# Altium PCB miniBackplane.PcbDoc (part 6 of 24)
Units mil, origin at the board's own origin, x right, y up, seen from the top; angles counter-clockwise.
Board outline 17285.63 x 8582.68 mil, 6 copper layers (Top Layer, Mid-Layer 1, GND, PWR, Mid-Layer 2, Bottom Layer), stack 62.362 mil thick; 519 components, 474 nets, 2434 pads, 1493 vias.
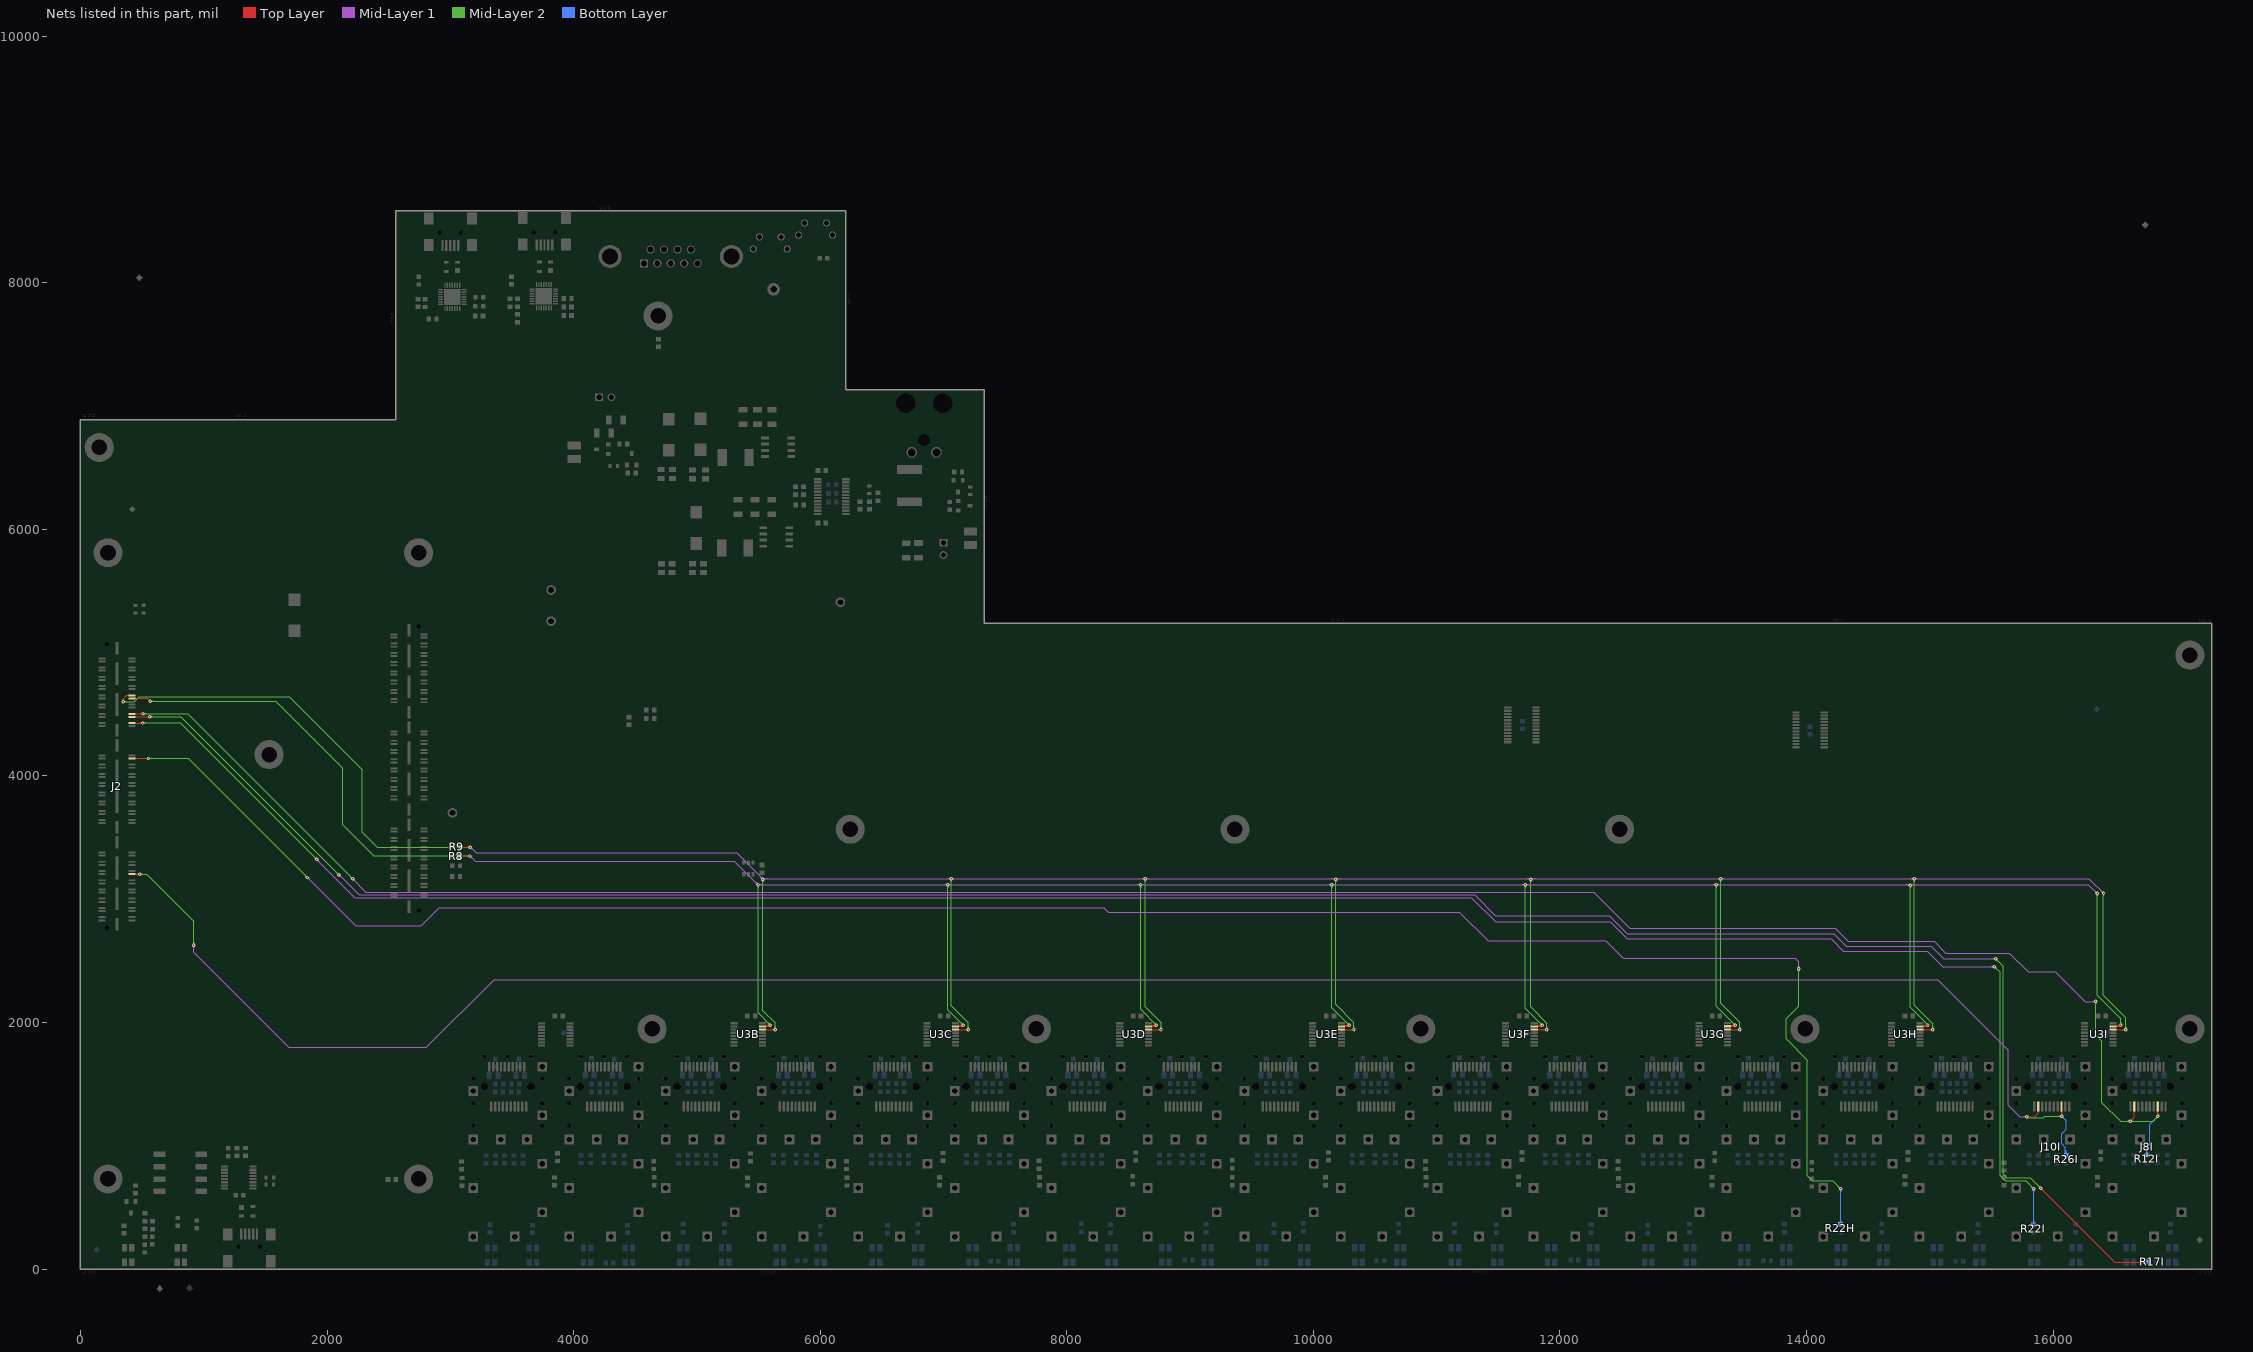
[diagram p10: the nets of this part, all layers, seen from the top]

## Via types
v1: diameter 27.56, hole 11.81, Top Layer to Bottom Layer, tented both sides, 1347 vias
v2: diameter 23.62, hole 11.81, Top Layer to Bottom Layer, tented both sides, 146 vias

## Nets (pads, with @x,y where several pads share a name; then routed paths per layer and width w, separated by ;. In a path a pad name is that pad's centre, name@x,y a point inside that pad or via, vN(x,y) a via of type N, cw(c..) or ccw(c..) an arc to the next point about the centre after c; other vN are vias at no path point) (continued)
FPGA-GPIO38: J2.78 R8.1 U3B.15 U3C.15 U3D.15 U3E.15 U3F.15 U3G.15 U3H.15 U3I.15 | length 32734.9
  Top Layer w7.87: J2.78@417.94,4628.79 541.21,4628.79 v1(565,4605) v1@565,4600 ; R8.1@3078.74,3346.46 3082.68,3350.39 v1(3157.48,3350.39) ; U3B.15@5532.27,1967.59 5585.1,1967.59 ; U3B.15@5556.21,1965.13 cw(c5571.25,1956.45) 5566.76,1973.22 ; 5566.4,1972.43 cw(c5577.06,1953.96) v1@5590.1,1970.83 ; 5576.56,1978.3 cw(c5584.82,1963.99) v1@5594.92,1977.06 ; 5576.68,1969.58 cw(c5584.4,1956.21) v1@5591.56,1969.89 ; 5578.57,1970.68 ccw(c5569.94,1985.63) v1@5586.62,1981.16 ; v1(5596.13,1978.61) 5585.1,1967.59 ; U3C.15@7097.27,1967.6 7150.1,1967.6 ; U3C.15@7121.21,1965.14 cw(c7136.25,1956.46) 7131.76,1973.23 ; 7131.4,1972.44 cw(c7142.06,1953.97) v1@7155.1,1970.84 ; 7141.56,1978.3 cw(c7149.82,1964) v1@7159.92,1977.06 ; 7141.68,1969.59 cw(c7149.4,1956.22) v1@7156.56,1969.9 ; 7143.57,1970.68 ccw(c7134.94,1985.64) v1@7151.62,1981.17 ; v1(7161.13,1978.62) 7150.1,1967.6 ; U3D.15@8662.27,1967.6 8715.1,1967.6 ; U3D.15@8686.21,1965.14 cw(c8701.25,1956.46) 8696.76,1973.23 ; 8696.4,1972.44 cw(c8707.06,1953.97) v1@8720.1,1970.84 ; 8706.56,1978.3 cw(c8714.82,1964) v1@8724.92,1977.06 ; 8706.68,1969.59 cw(c8714.4,1956.22) v1@8721.56,1969.9 ; 8708.57,1970.68 ccw(c8699.94,1985.64) v1@8716.62,1981.17 ; v1(8726.13,1978.62) 8715.1,1967.6 ; U3E.15@10227.27,1967.6 10280.1,1967.6 ; U3E.15@10251.21,1965.14 cw(c10266.25,1956.46) 10261.76,1973.23 ; 10261.4,1972.44 cw(c10272.06,1953.97) v1@10285.1,1970.84 ; 10271.56,1978.3 cw(c10279.82,1964) v1@10289.92,1977.06 ; 10271.68,1969.59 cw(c10279.4,1956.22) v1@10286.56,1969.9 ; 10273.57,1970.68 ccw(c10264.94,1985.64) v1@10281.62,1981.17 ; v1(10291.13,1978.62) 10280.1,1967.6 ; U3F.15@11791.83,1967.6 11844.67,1967.6 ; U3F.15@11815.78,1965.14 cw(c11830.82,1956.46) 11826.32,1973.23 ; 11825.96,1972.44 cw(c11836.63,1953.97) v1@11849.67,1970.84 ; 11836.13,1978.3 cw(c11844.38,1964) v1@11854.49,1977.06 ; 11836.25,1969.59 cw(c11843.97,1956.22) v1@11851.13,1969.9 ; 11838.14,1970.68 ccw(c11829.5,1985.64) v1@11846.19,1981.17 ; v1(11855.69,1978.62) 11844.67,1967.6 ; U3G.15@13356.83,1967.6 13409.67,1967.6 ; U3G.15@13382.36,1973.76 ccw(c13387.19,1982.13) 13389.7,1972.79 ; U3G.15@13384.16,1967.04 cw(c13396.36,1959.99) 13392.71,1973.6 ; 13390.96,1972.44 cw(c13401.63,1953.97) v1@13414.67,1970.84 ; 13401.13,1978.3 cw(c13409.38,1964) v1@13419.49,1977.06 ; 13401.25,1969.59 cw(c13408.97,1956.22) v1@13416.13,1969.9 ; 13403.14,1970.68 ccw(c13394.5,1985.64) v1@13411.19,1981.17 ; v1(13420.69,1978.62) 13409.67,1967.6 ; U3H.15@14921.83,1967.6 14974.67,1967.6 ; U3H.15@14945.78,1965.14 cw(c14960.82,1956.46) 14956.32,1973.23 ; 14955.96,1972.44 cw(c14966.63,1953.97) v1@14979.67,1970.84 ; 14966.13,1978.3 cw(c14974.38,1964) v1@14984.49,1977.06 ; 14966.25,1969.59 cw(c14973.97,1956.22) v1@14981.13,1969.9 ; 14968.14,1970.68 ccw(c14959.5,1985.64) v1@14976.19,1981.17 ; v1(14985.69,1978.62) 14974.67,1967.6 ; U3I.15@16486.83,1967.6 16539.67,1967.6 ; U3I.15@16510.78,1965.14 cw(c16525.82,1956.46) 16521.32,1973.23 ; 16520.96,1972.44 cw(c16531.63,1953.97) v1@16544.67,1970.84 ; 16531.13,1978.3 cw(c16539.38,1964) v1@16549.49,1977.06 ; 16531.25,1969.59 cw(c16538.97,1956.22) v1@16546.13,1969.9 ; 16533.14,1970.68 ccw(c16524.5,1985.64) v1@16541.19,1981.17 ; v1(16550.69,1978.62) 16539.67,1967.6 ; 448.12,4628.79 ccw(c448.12,4619.29) 441.39,4626.01 cw(c448.12,4619.29) 448.12,4628.79 ; 448.12,4628.79 cw(c448.12,4638.3) 441.39,4631.58 ccw(c448.12,4638.3) 448.12,4628.79 ; 3133.72,3350.39 ccw(c3133.72,3374.16) 3150.52,3357.35 cw(c3133.72,3374.16) 3133.72,3350.39 ; 3133.72,3350.39 cw(c3133.72,3326.63) 3150.52,3343.43 ccw(c3133.72,3326.63) 3133.72,3350.39 ; 5563.83,1967.59 ccw(c5563.83,1955.71) 5555.43,1964.11 cw(c5563.83,1955.71) 5563.83,1967.59 ; 5563.83,1967.59 cw(c5563.83,1979.47) 5555.43,1971.07 ccw(c5563.83,1979.47) 5563.83,1967.59 ; 5585.1,1967.59 ccw(c5579.85,1972.84) 5586.85,1975.32 cw(c5579.85,1972.84) 5585.1,1967.59 ; 5585.1,1967.59 cw(c5590.35,1962.34) 5592.83,1969.34 ccw(c5590.35,1962.34) 5585.1,1967.59 ; 7128.83,1967.6 ccw(c7128.83,1955.72) 7120.43,1964.12 cw(c7128.83,1955.72) 7128.83,1967.6 ; 7128.83,1967.6 cw(c7128.83,1979.48) 7120.43,1971.08 ccw(c7128.83,1979.48) 7128.83,1967.6 ; 7150.1,1967.6 ccw(c7144.85,1972.85) 7151.85,1975.33 cw(c7144.85,1972.85) 7150.1,1967.6 ; 7150.1,1967.6 cw(c7155.35,1962.35) 7157.83,1969.35 ccw(c7155.35,1962.35) 7150.1,1967.6 ; 8693.83,1967.6 ccw(c8693.83,1955.72) 8685.43,1964.12 cw(c8693.83,1955.72) 8693.83,1967.6 ; 8693.83,1967.6 cw(c8693.83,1979.48) 8685.43,1971.08 ccw(c8693.83,1979.48) 8693.83,1967.6 ; 8715.1,1967.6 ccw(c8709.85,1972.85) 8716.85,1975.33 cw(c8709.85,1972.85) 8715.1,1967.6 ; 8715.1,1967.6 cw(c8720.35,1962.35) 8722.83,1969.35 ccw(c8720.35,1962.35) 8715.1,1967.6 ; 10258.83,1967.6 ccw(c10258.83,1955.72) 10250.43,1964.12 cw(c10258.83,1955.72) 10258.83,1967.6 ; 10258.83,1967.6 cw(c10258.83,1979.48) 10250.43,1971.08 ccw(c10258.83,1979.48) 10258.83,1967.6 ; 10280.1,1967.6 ccw(c10274.85,1972.85) 10281.85,1975.33 cw(c10274.85,1972.85) 10280.1,1967.6 ; 10280.1,1967.6 cw(c10285.35,1962.35) 10287.83,1969.35 ccw(c10285.35,1962.35) 10280.1,1967.6 ; 11823.4,1967.6 ccw(c11823.4,1955.72) 11815,1964.12 cw(c11823.4,1955.72) 11823.4,1967.6 ; 11823.4,1967.6 cw(c11823.4,1979.48) 11815,1971.08 ccw(c11823.4,1979.48) 11823.4,1967.6 ; 11844.67,1967.6 ccw(c11839.42,1972.85) 11846.42,1975.33 cw(c11839.42,1972.85) 11844.67,1967.6 ; 11844.67,1967.6 cw(c11849.92,1962.35) 11852.4,1969.35 ccw(c11849.92,1962.35) 11844.67,1967.6 ; 13409.67,1967.6 ccw(c13404.42,1972.85) 13411.42,1975.33 cw(c13404.42,1972.85) 13409.67,1967.6 ; 13409.67,1967.6 cw(c13414.92,1962.35) 13417.4,1969.35 ccw(c13414.92,1962.35) 13409.67,1967.6 ; 14953.4,1967.6 ccw(c14953.4,1955.72) 14945,1964.12 cw(c14953.4,1955.72) 14953.4,1967.6 ; 14953.4,1967.6 cw(c14953.4,1979.48) 14945,1971.08 ccw(c14953.4,1979.48) 14953.4,1967.6 ; 14974.67,1967.6 ccw(c14969.42,1972.85) 14976.42,1975.33 cw(c14969.42,1972.85) 14974.67,1967.6 ; 14974.67,1967.6 cw(c14979.92,1962.35) 14982.4,1969.35 ccw(c14979.92,1962.35) 14974.67,1967.6 ; 16518.4,1967.6 ccw(c16518.4,1955.72) 16510,1964.12 cw(c16518.4,1955.72) 16518.4,1967.6 ; 16518.4,1967.6 cw(c16518.4,1979.48) 16510,1971.08 ccw(c16518.4,1979.48) 16518.4,1967.6 ; 16539.67,1967.6 ccw(c16534.42,1972.85) 16541.42,1975.33 cw(c16534.42,1972.85) 16539.67,1967.6 ; 16539.67,1967.6 cw(c16544.92,1962.35) 16547.4,1969.35 ccw(c16544.92,1962.35) 16539.67,1967.6 ; U3B.15@5545.75,1967.59 ccw(c5545.75,2028.99) 5589.17,1985.57 cw(c5545.75,2028.99) U3B.15@5545.75,1967.59 ; 5564.76,1967.59 ccw(c5564.76,2009.98) 5594.73,1980.01 cw(c5564.76,2009.98) 5564.76,1967.59 ; 5583.77,1967.59 ccw(c5583.77,1990.97) 5600.3,1974.44 cw(c5583.77,1990.97) 5583.77,1967.59 ; U3C.15@7110.75,1967.6 ccw(c7110.75,2029) 7154.17,1985.58 cw(c7110.75,2029) U3C.15@7110.75,1967.6 ; 7129.76,1967.6 ccw(c7129.76,2009.99) 7159.73,1980.01 cw(c7129.76,2009.99) 7129.76,1967.6 ; 7148.77,1967.6 ccw(c7148.77,1990.98) 7165.3,1974.45 cw(c7148.77,1990.98) 7148.77,1967.6 ; U3D.15@8675.75,1967.6 ccw(c8675.75,2029) 8719.17,1985.58 cw(c8675.75,2029) U3D.15@8675.75,1967.6 ; 8694.76,1967.6 ccw(c8694.76,2009.99) 8724.73,1980.01 cw(c8694.76,2009.99) 8694.76,1967.6 ; 8713.77,1967.6 ccw(c8713.77,1990.98) 8730.3,1974.45 cw(c8713.77,1990.98) 8713.77,1967.6 ; U3E.15@10240.75,1967.6 ccw(c10240.75,2029) 10284.17,1985.58 cw(c10240.75,2029) U3E.15@10240.75,1967.6 ; 10259.76,1967.6 ccw(c10259.76,2009.99) 10289.73,1980.01 cw(c10259.76,2009.99) 10259.76,1967.6 ; 10278.77,1967.6 ccw(c10278.77,1990.98) 10295.3,1974.45 cw(c10278.77,1990.98) 10278.77,1967.6 ; U3F.15@11805.32,1967.6 ccw(c11805.32,2029) 11848.73,1985.58 cw(c11805.32,2029) U3F.15@11805.32,1967.6 ; 11824.33,1967.6 ccw(c11824.33,2009.99) 11854.3,1980.01 cw(c11824.33,2009.99) 11824.33,1967.6 ; 11843.34,1967.6 ccw(c11843.34,1990.98) 11859.87,1974.45 cw(c11843.34,1990.98) 11843.34,1967.6 ; U3G.15@13370.32,1967.6 ccw(c13370.32,2029) 13413.73,1985.58 cw(c13370.32,2029) U3G.15@13370.32,1967.6 ; U3G.15@13383.38,1972.98 ccw(c13396.36,1985.96) 13396.36,1967.6 cw(c13396.36,1985.96) U3G.15@13383.38,1972.98 ; 13389.33,1967.6 ccw(c13389.33,2009.99) 13419.3,1980.01 cw(c13389.33,2009.99) 13389.33,1967.6 ; 13408.34,1967.6 ccw(c13408.34,1990.98) 13424.87,1974.45 cw(c13408.34,1990.98) 13408.34,1967.6 ; U3H.15@14935.32,1967.6 ccw(c14935.32,2029) 14978.73,1985.58 cw(c14935.32,2029) U3H.15@14935.32,1967.6 ; 14954.33,1967.6 ccw(c14954.33,2009.99) 14984.3,1980.01 cw(c14954.33,2009.99) 14954.33,1967.6 ; 14973.34,1967.6 ccw(c14973.34,1990.98) 14989.87,1974.45 cw(c14973.34,1990.98) 14973.34,1967.6 ; U3I.15@16500.32,1967.6 ccw(c16500.32,2029) 16543.73,1985.58 cw(c16500.32,2029) U3I.15@16500.32,1967.6 ; 16519.33,1967.6 ccw(c16519.33,2009.99) 16549.3,1980.01 cw(c16519.33,2009.99) 16519.33,1967.6 ; 16538.34,1967.6 ccw(c16538.34,1990.98) 16554.87,1974.45 cw(c16538.34,1990.98) 16538.34,1967.6
  Mid-Layer 1 w7.09: v1@3153.54,3346.46 3165.35,3346.46 3203.25,3308.56 5304.44,3308.56 5494.89,3118.11 16287.4,3118.11 v1(16358.27,3047.24) ; v1@3153.75,3349.14 ccw(c3170.09,3354.62) 3165.63,3337.97 ; 5488.9,3130.27 cw(c5484.91,3115.37) v1@5499.89,3119.05 ; 5520.78,3118.11 ccw(c5520.78,3093.4) 5503.3,3110.87 cw(c5520.78,3093.4) 5520.78,3118.11 ; 5520.78,3118.11 cw(c5520.78,3142.82) 5503.3,3125.35 ccw(c5520.78,3142.82) 5520.78,3118.11 ; 7010.72,3118.11 ccw(c7010.72,3142.82) 7028.2,3125.35 cw(c7010.72,3142.82) 7010.72,3118.11 ; 7010.72,3118.11 cw(c7010.72,3093.4) 7028.2,3110.87 ccw(c7010.72,3093.4) 7010.72,3118.11 ; 7060.15,3118.11 ccw(c7060.15,3093.4) 7042.67,3110.87 cw(c7060.15,3093.4) 7060.15,3118.11 ; 7060.15,3118.11 cw(c7060.15,3142.82) 7042.67,3125.35 ccw(c7060.15,3142.82) 7060.15,3118.11 ; 8573.71,3118.11 ccw(c8573.71,3142.82) 8591.19,3125.35 cw(c8573.71,3142.82) 8573.71,3118.11 ; 8573.71,3118.11 cw(c8573.71,3093.4) 8591.19,3110.87 ccw(c8573.71,3093.4) 8573.71,3118.11 ; 8623.14,3118.11 ccw(c8623.14,3093.4) 8605.66,3110.87 cw(c8623.14,3093.4) 8623.14,3118.11 ; 8623.14,3118.11 cw(c8623.14,3142.82) 8605.66,3125.35 ccw(c8623.14,3142.82) 8623.14,3118.11 ; 10124.89,3118.11 ccw(c10124.89,3142.82) 10142.37,3125.35 cw(c10124.89,3142.82) 10124.89,3118.11 ; 10124.89,3118.11 cw(c10124.89,3093.4) 10142.37,3110.87 ccw(c10124.89,3093.4) 10124.89,3118.11 ; 10174.32,3118.11 ccw(c10174.32,3093.4) 10156.84,3110.87 cw(c10174.32,3093.4) 10174.32,3118.11 ; 10174.32,3118.11 cw(c10174.32,3142.82) 10156.84,3125.35 ccw(c10174.32,3142.82) 10174.32,3118.11 ; 11695.76,3118.11 ccw(c11695.76,3142.82) 11713.23,3125.35 cw(c11695.76,3142.82) 11695.76,3118.11 ; 11695.76,3118.11 cw(c11695.76,3093.4) 11713.23,3110.87 ccw(c11695.76,3093.4) 11695.76,3118.11 ; 11745.18,3118.11 ccw(c11745.18,3093.4) 11727.71,3110.87 cw(c11745.18,3093.4) 11745.18,3118.11 ; 11745.18,3118.11 cw(c11745.18,3142.82) 11727.71,3125.35 ccw(c11745.18,3142.82) 11745.18,3118.11 ; 13243,3118.11 ccw(c13243,3142.82) 13260.48,3125.35 cw(c13243,3142.82) 13243,3118.11 ; 13243,3118.11 cw(c13243,3093.4) 13260.48,3110.87 ccw(c13243,3093.4) 13243,3118.11 ; 13292.43,3118.11 ccw(c13292.43,3093.4) 13274.95,3110.87 cw(c13292.43,3093.4) 13292.43,3118.11 ; 13292.43,3118.11 cw(c13292.43,3142.82) 13274.95,3125.35 ccw(c13292.43,3142.82) 13292.43,3118.11 ; 16340.79,3064.72 ccw(c16358.27,3082.19) 16358.27,3057.48 cw(c16358.27,3082.19) 16340.79,3064.72 ; 16340.79,3064.72 cw(c16323.32,3047.24) 16348.03,3047.24 ccw(c16323.32,3047.24) 16340.79,3064.72 ; v1@3157.48,3340.16 cw(c3157.48,3305.94) 3181.68,3330.14 ccw(c3157.48,3305.94) v1@3157.48,3340.16 ; v1@3157.48,3347.24 cw(c3157.48,3330.14) 3169.58,3342.23 ccw(c3157.48,3330.14) v1@3157.48,3347.24 ; v1@3167.72,3350.39 ccw(c3182.92,3350.39) 3172.17,3339.64 cw(c3182.92,3350.39) v1@3167.72,3350.39 ; 5476.59,3136.41 ccw(c5496.06,3155.89) 5496.06,3128.35 cw(c5496.06,3155.89) 5476.59,3136.41 ; 5479.42,3133.58 cw(c5463.95,3118.11) 5485.83,3118.11 ccw(c5463.95,3118.11) 5479.42,3133.58 ; 14808.3,3118.11 cw(c14808.3,3079.96) 14835.28,3106.94 ccw(c14808.3,3079.96) 14808.3,3118.11 ; 14825.41,3118.11 cw(c14825.41,3097.06) 14840.29,3111.95 ccw(c14825.41,3097.06) 14825.41,3118.11 ; 14827.31,3118.11 ccw(c14827.31,3129.38) 14835.28,3121.41 cw(c14827.31,3129.38) 14827.31,3118.11 ; v1@14844.75,3111.95 cw(c14859.63,3097.06) 14859.63,3118.11 ccw(c14859.63,3097.06) v1@14844.75,3111.95 ; v1@14849.76,3106.94 cw(c14876.74,3079.96) 14876.74,3118.11 ccw(c14876.74,3079.96) v1@14849.76,3106.94 ; v1@14849.76,3121.41 ccw(c14857.73,3129.38) 14857.73,3118.11 cw(c14857.73,3129.38) v1@14849.76,3121.41
  Mid-Layer 2 w7.09: v1(565,4605) 1585,4605 2127,4063 2127,3604 2380.61,3350.39 2401.57,3350.39 v1(3157.48,3350.39) ; v1(5496.06,3118.11) 5496.06,2078.68 v1(5596.13,1978.61) ; v1(7035.43,3118.11) 7035.43,2104.31 v1(7161.13,1978.62) ; v1(8598.43,3118.11) 8598.43,2106.32 v1(8726.13,1978.62) ; v1(10149.61,3118.11) 10149.61,2120.14 v1(10291.13,1978.62) ; v1(11720.47,3118.11) 11720.47,2113.84 v1(11855.69,1978.62) ; v1(13267.72,3118.11) 13267.72,2131.6 v1(13420.69,1978.62) ; v1(14842.52,3114.17) 14842.52,2121.8 v1(14985.69,1978.62) ; v1(16358.27,3047.24) 16358.27,2221.52 16550.69,2029.09 v1(16550.69,1978.62) ; 589.71,4605 ccw(c589.71,4580.29) 572.24,4597.76 cw(c589.71,4580.29) 589.71,4605 ; 589.71,4605 cw(c589.71,4629.71) 572.24,4612.24 ccw(c589.71,4629.71) 589.71,4605 ; 3132.77,3350.39 ccw(c3132.77,3375.11) 3150.24,3357.63 cw(c3132.77,3375.11) 3132.77,3350.39 ; 3132.77,3350.39 cw(c3132.77,3325.68) 3150.24,3343.16 ccw(c3132.77,3325.68) 3132.77,3350.39 ; 5496.06,3093.4 ccw(c5471.35,3093.4) 5488.82,3110.87 cw(c5471.35,3093.4) 5496.06,3093.4 ; 5496.06,3093.4 cw(c5520.78,3093.4) 5503.3,3110.87 ccw(c5520.78,3093.4) 5496.06,3093.4 ; 5578.65,1996.09 ccw(c5596.13,2013.56) 5596.13,1988.85 cw(c5596.13,2013.56) 5578.65,1996.09 ; 5578.65,1996.09 cw(c5561.18,1978.61) 5585.89,1978.61 ccw(c5561.18,1978.61) 5578.65,1996.09 ; 7035.43,3093.4 ccw(c7010.72,3093.4) 7028.2,3110.87 cw(c7010.72,3093.4) 7035.43,3093.4 ; 7035.43,3093.4 cw(c7060.15,3093.4) 7042.67,3110.87 ccw(c7060.15,3093.4) 7035.43,3093.4 ; 7143.65,1996.1 ccw(c7161.13,2013.57) 7161.13,1988.86 cw(c7161.13,2013.57) 7143.65,1996.1 ; 7143.65,1996.1 cw(c7126.18,1978.62) 7150.89,1978.62 ccw(c7126.18,1978.62) 7143.65,1996.1 ; 8598.43,3093.4 ccw(c8573.71,3093.4) 8591.19,3110.87 cw(c8573.71,3093.4) 8598.43,3093.4 ; 8598.43,3093.4 cw(c8623.14,3093.4) 8605.66,3110.87 ccw(c8623.14,3093.4) 8598.43,3093.4 ; 8708.65,1996.1 ccw(c8726.13,2013.57) 8726.13,1988.86 cw(c8726.13,2013.57) 8708.65,1996.1 ; 8708.65,1996.1 cw(c8691.18,1978.62) 8715.89,1978.62 ccw(c8691.18,1978.62) 8708.65,1996.1 ; 10149.61,3093.4 ccw(c10124.89,3093.4) 10142.37,3110.87 cw(c10124.89,3093.4) 10149.61,3093.4 ; 10149.61,3093.4 cw(c10174.32,3093.4) 10156.84,3110.87 ccw(c10174.32,3093.4) 10149.61,3093.4 ; 10273.65,1996.1 ccw(c10291.13,2013.57) 10291.13,1988.86 cw(c10291.13,2013.57) 10273.65,1996.1 ; 10273.65,1996.1 cw(c10256.18,1978.62) 10280.89,1978.62 ccw(c10256.18,1978.62) 10273.65,1996.1 ; 11720.47,3093.4 ccw(c11695.76,3093.4) 11713.23,3110.87 cw(c11695.76,3093.4) 11720.47,3093.4 ; 11720.47,3093.4 cw(c11745.18,3093.4) 11727.71,3110.87 ccw(c11745.18,3093.4) 11720.47,3093.4 ; 11838.22,1996.1 ccw(c11855.69,2013.57) 11855.69,1988.86 cw(c11855.69,2013.57) 11838.22,1996.1 ; 11838.22,1996.1 cw(c11820.74,1978.62) 11845.46,1978.62 ccw(c11820.74,1978.62) 11838.22,1996.1 ; 13267.72,3093.4 ccw(c13243,3093.4) 13260.48,3110.87 cw(c13243,3093.4) 13267.72,3093.4 ; 13267.72,3093.4 cw(c13292.43,3093.4) 13274.95,3110.87 ccw(c13292.43,3093.4) 13267.72,3093.4 ; 13403.22,1996.1 ccw(c13420.69,2013.57) 13420.69,1988.86 cw(c13420.69,2013.57) 13403.22,1996.1 ; 13403.22,1996.1 cw(c13385.74,1978.62) 13410.46,1978.62 ccw(c13385.74,1978.62) 13403.22,1996.1 ; 14842.52,3089.46 ccw(c14817.81,3089.46) 14835.28,3106.94 cw(c14817.81,3089.46) 14842.52,3089.46 ; 14842.52,3089.46 cw(c14867.23,3089.46) 14849.76,3106.94 ccw(c14867.23,3089.46) 14842.52,3089.46 ; 14968.22,1996.1 ccw(c14985.69,2013.57) 14985.69,1988.86 cw(c14985.69,2013.57) 14968.22,1996.1 ; 14968.22,1996.1 cw(c14950.74,1978.62) 14975.46,1978.62 ccw(c14950.74,1978.62) 14968.22,1996.1 ; 16358.27,3022.53 ccw(c16333.56,3022.53) 16351.03,3040.01 cw(c16333.56,3022.53) 16358.27,3022.53 ; 16358.27,3022.53 cw(c16382.98,3022.53) 16365.51,3040.01 ccw(c16382.98,3022.53) 16358.27,3022.53 ; 16550.69,2003.33 ccw(c16575.41,2003.33) 16557.93,1985.86 cw(c16575.41,2003.33) 16550.69,2003.33 ; 16550.69,2003.33 cw(c16525.98,2003.33) 16543.45,1985.86 ccw(c16525.98,2003.33) 16550.69,2003.33
FPGA-GPIO39: J2.80 R9.2 U3B.14 U3C.14 U3D.14 U3E.14 U3F.14 U3G.14 U3H.14 U3I.14 | length 32007
  Top Layer w7.87: v1@345,4600 v1(346,4601) 346,4623 ; J2.80@417.94,4653.79 376.79,4653.79 346,4623 ; R9.2@3078.74,3425.2 R9.2@3082.68,3425.2 ; R9.2@3086.61,3421.26 v1(3161.42,3421.26) ; U3B.14@5532.27,1942 v1(5634.51,1942) ; U3C.14@7097.27,1942.01 v1(7199.51,1942.01) ; U3D.14@8662.27,1942.01 v1(8764.51,1942.01) ; U3E.14@10227.27,1942.01 v1(10329.51,1942.01) ; U3F.14@11791.83,1942.01 v1(11894.08,1942.01) ; U3G.14@13356.83,1942.01 v1(13459.08,1942.01) ; U3H.14@14921.83,1942.01 v1(15024.08,1942.01) ; U3I.14@16486.83,1942.01 v1(16589.08,1942.01) ; 346,4623 ccw(c365.66,4623) 352.56,4608.34 cw(c365.66,4623) 346,4623 ; 346,4623 cw(c326.34,4623) 339.44,4608.34 ccw(c326.34,4623) 346,4623 ; 387.77,4653.79 ccw(c387.77,4663.3) 394.49,4656.58 cw(c387.77,4663.3) 387.77,4653.79 ; 387.77,4653.79 cw(c387.77,4644.29) 394.49,4651.01 ccw(c387.77,4644.29) 387.77,4653.79 ; 3137.66,3421.26 ccw(c3137.66,3445.02) 3154.46,3428.22 cw(c3137.66,3445.02) 3137.66,3421.26 ; 3137.66,3421.26 cw(c3137.66,3397.5) 3154.46,3414.3 ccw(c3137.66,3397.5) 3137.66,3421.26 ; 5563.83,1942 ccw(c5563.83,1930.12) 5555.43,1938.52 cw(c5563.83,1930.12) 5563.83,1942 ; 5563.83,1942 cw(c5563.83,1953.88) 5555.43,1945.48 ccw(c5563.83,1953.88) 5563.83,1942 ; 5610.75,1942 ccw(c5610.75,1965.76) 5627.55,1948.96 cw(c5610.75,1965.76) 5610.75,1942 ; 5610.75,1942 cw(c5610.75,1918.24) 5627.55,1935.04 ccw(c5610.75,1918.24) 5610.75,1942 ; 7128.83,1942.01 ccw(c7128.83,1930.13) 7120.43,1938.53 cw(c7128.83,1930.13) 7128.83,1942.01 ; 7128.83,1942.01 cw(c7128.83,1953.89) 7120.43,1945.49 ccw(c7128.83,1953.89) 7128.83,1942.01 ; 7175.75,1942.01 ccw(c7175.75,1965.77) 7192.55,1948.97 cw(c7175.75,1965.77) 7175.75,1942.01 ; 7175.75,1942.01 cw(c7175.75,1918.25) 7192.55,1935.05 ccw(c7175.75,1918.25) 7175.75,1942.01 ; 8693.83,1942.01 ccw(c8693.83,1930.13) 8685.43,1938.53 cw(c8693.83,1930.13) 8693.83,1942.01 ; 8693.83,1942.01 cw(c8693.83,1953.89) 8685.43,1945.49 ccw(c8693.83,1953.89) 8693.83,1942.01 ; 8740.75,1942.01 ccw(c8740.75,1965.77) 8757.55,1948.97 cw(c8740.75,1965.77) 8740.75,1942.01 ; 8740.75,1942.01 cw(c8740.75,1918.25) 8757.55,1935.05 ccw(c8740.75,1918.25) 8740.75,1942.01 ; 10258.83,1942.01 ccw(c10258.83,1930.13) 10250.43,1938.53 cw(c10258.83,1930.13) 10258.83,1942.01 ; 10258.83,1942.01 cw(c10258.83,1953.89) 10250.43,1945.49 ccw(c10258.83,1953.89) 10258.83,1942.01 ; 10305.75,1942.01 ccw(c10305.75,1965.77) 10322.55,1948.97 cw(c10305.75,1965.77) 10305.75,1942.01 ; 10305.75,1942.01 cw(c10305.75,1918.25) 10322.55,1935.05 ccw(c10305.75,1918.25) 10305.75,1942.01 ; 11823.4,1942.01 ccw(c11823.4,1930.13) 11815,1938.53 cw(c11823.4,1930.13) 11823.4,1942.01 ; 11823.4,1942.01 cw(c11823.4,1953.89) 11815,1945.49 ccw(c11823.4,1953.89) 11823.4,1942.01 ; 11870.32,1942.01 ccw(c11870.32,1965.77) 11887.12,1948.97 cw(c11870.32,1965.77) 11870.32,1942.01 ; 11870.32,1942.01 cw(c11870.32,1918.25) 11887.12,1935.05 ccw(c11870.32,1918.25) 11870.32,1942.01 ; 13435.32,1942.01 ccw(c13435.32,1965.77) 13452.12,1948.97 cw(c13435.32,1965.77) 13435.32,1942.01 ; 13435.32,1942.01 cw(c13435.32,1918.25) 13452.12,1935.05 ccw(c13435.32,1918.25) 13435.32,1942.01 ; 14953.4,1942.01 ccw(c14953.4,1930.13) 14945,1938.53 cw(c14953.4,1930.13) 14953.4,1942.01 ; 14953.4,1942.01 cw(c14953.4,1953.89) 14945,1945.49 ccw(c14953.4,1953.89) 14953.4,1942.01 ; 15000.32,1942.01 ccw(c15000.32,1965.77) 15017.12,1948.97 cw(c15000.32,1965.77) 15000.32,1942.01 ; 15000.32,1942.01 cw(c15000.32,1918.25) 15017.12,1935.05 ccw(c15000.32,1918.25) 15000.32,1942.01 ; 16518.4,1942.01 ccw(c16518.4,1930.13) 16510,1938.53 cw(c16518.4,1930.13) 16518.4,1942.01 ; 16518.4,1942.01 cw(c16518.4,1953.89) 16510,1945.49 ccw(c16518.4,1953.89) 16518.4,1942.01 ; 16565.32,1942.01 ccw(c16565.32,1965.77) 16582.12,1948.97 cw(c16565.32,1965.77) 16565.32,1942.01 ; 16565.32,1942.01 cw(c16565.32,1918.25) 16582.12,1935.05 ccw(c16565.32,1918.25) 16565.32,1942.01 ; U3G.14@13383.38,1947.39 ccw(c13396.36,1960.37) 13396.36,1942.01 cw(c13396.36,1960.37) U3G.14@13383.38,1947.39